# Altium PCB TB67S128FTG步进电机驱动器.PcbDoc
Units mil, origin at the board's own origin, x right, y up, seen from the top; angles counter-clockwise.
Board outline 3700.79 x 2755.91 mil, 2 copper layers (Top Layer, Bottom Layer); 74 components, 58 nets, 274 pads, 64 vias.
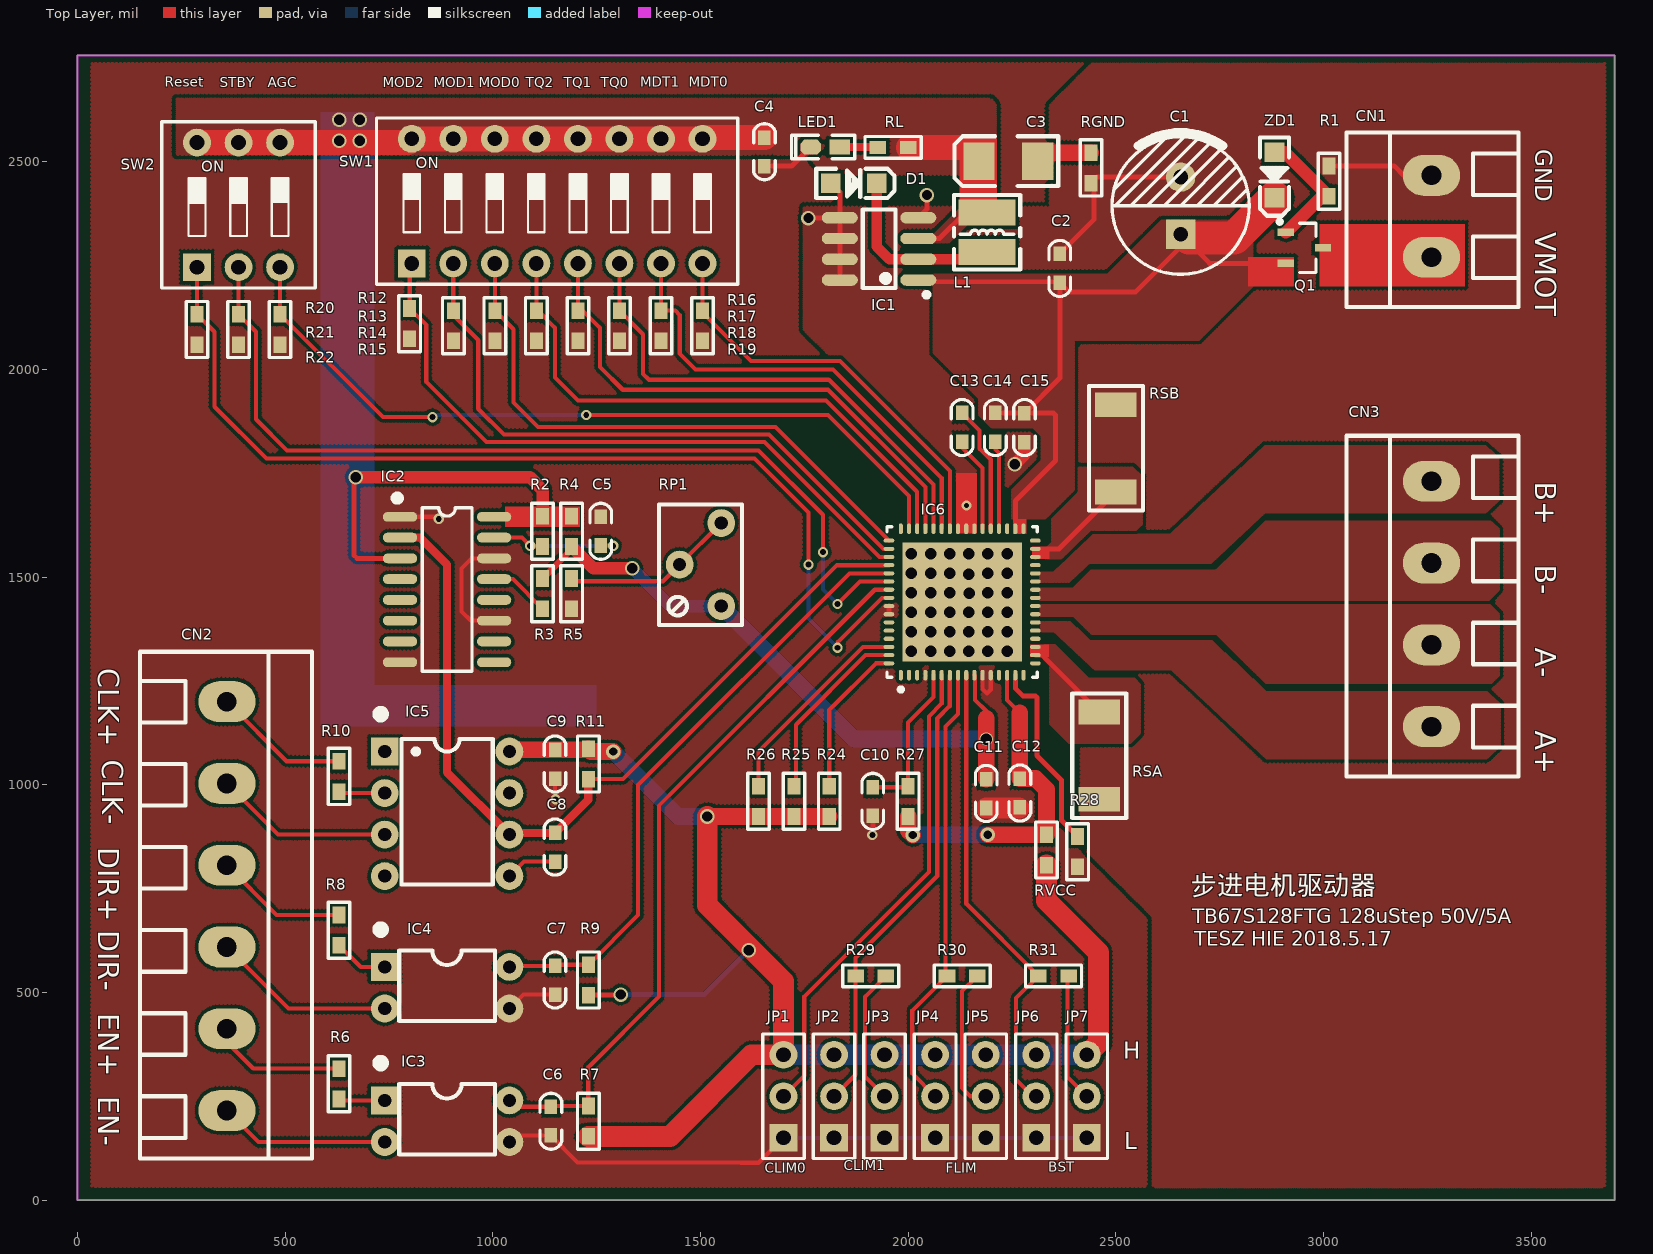
[diagram p0: Top Layer view]
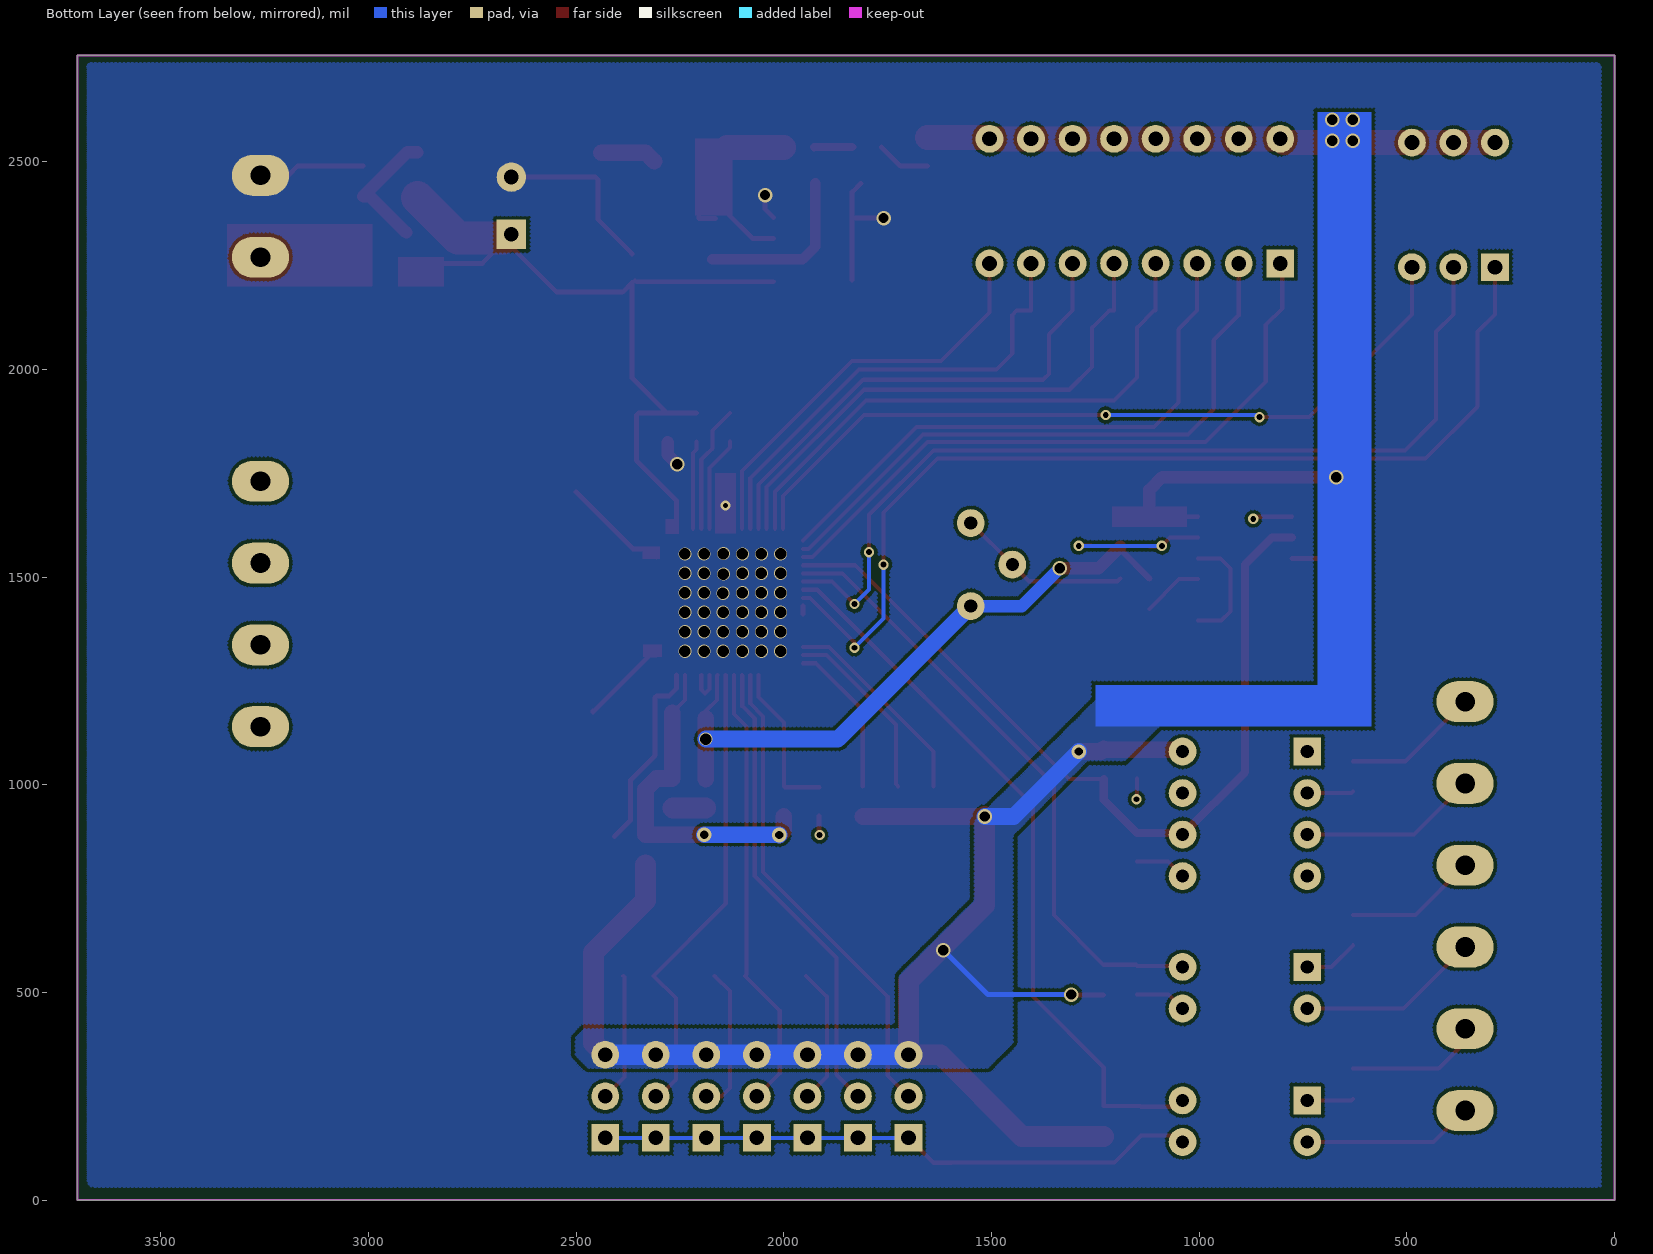
[diagram p1: Bottom Layer view, seen from below]

## Layer stack, top to bottom
Top Solder: solder mask 0.4, Solder Resist, Dk 3.5
Top Layer: signal copper 1.4
Dielectric 1: dielectric 12.6, FR-4, Dk 4.8
Bottom Layer: signal copper 1.4
Bottom Solder: solder mask 0.4, Solder Resist, Dk 3.5

## Board outline
0,0 0,2755.91 3700.79,2755.91 3700.79,0 0,0

## Design rules (kind name [scope] priority, off if disabled: settings)
Clearance [All] p1: gap=8
MinimumSolderMaskSliver [All] p1: minsoldermaskwidth=8
PolygonConnect [All] p1: connectstyle=Direct reliefconductorwidth=10 reliefentries=4 polygonreliefangle="45 Angle" airgapwidth=10
RoutingVias [All] p1: holewidth=14 width=25 viastyle="Through Hole" minholewidth=12 minwidth=25 maxholewidth=35 maxwidth=50
SilkToSilkClearance [All] p1: silktosilkclearance=0
SilkToSolderMaskClearance [IsPad] p1: minsilkscreentomaskgap=1 clearancetoexposedcopper=TRUE
SolderMaskExpansion [All] p1: expansion=4
Width [All] p1: maxlimit=100 minlimit=1 preferedwidth=10
26 further rules are at their usual default settings.

## Components (designator, comment, footprint, x,y, rotation, side; value= is the part's Value field where it differs from the comment)
C1 "100uF/50V" "CAP 3.5*8*11.5" 2656,2394 r90 top
C2 "104" "C 0603" 2365,2243 r270 top
C3 "10uF/25V" "CD B(3528)" 2241.28,2501.08 r0 top
C4 "105" "C 0603" 1654,2524 r90 top
C5 "104" "C 0603" 1260,1610 r270 top
C6 "103" "C 0603" 1140,190 r270 top
C7 "103" "C 0603" 1150,530 r90 top
C8 "102" "C 0603" 1150,850 r90 top
C9 "104" "C 0603" 1150,1050 r90 top
C10 "270pF" "C 0603" 1914.94,959.96 r90 top
C11 "104" "C 0603" 2188,979 r90 top
C12 "104" "C 0603" 2269,980 r270 top
C13 "22nF" "C 0603" 2130,1860 r270 top
C14 "0.22uF" "C 0603" 2210,1860 r270 top
C15 "104" "C 0603" 2280,1860 r90 top
CN1 "WJ128V-5.0-2P" KF128-5.00-2P 3260,2270 r90 top
CN2 "WJ128V-5.0-3P" KF128-5.00-6P 360,1200 r270 top
CN3 "WJ128V-5.0-2P" KF128-5.00-4P 3260,1140 r90 top
D1 "CRS30I40A" S-FLAT 1869.24,2447.93 r0 top
IC1 "XL1509-5.0" SOIC8_150mil 1930,2290 r90 top
IC2 "74HC123D" SOP16_M 890,1470 r0 top
IC3 "TLP785" DIP4-300 890,190 r0 top
IC4 "TLP785" DIP4-300 890,511.34 r0 top
IC5 "6N137" DIP8-300 890,930 r0 top
IC6 "TB67S128FTG" "QFN64 L" 2130,1440 r90 top locked
JP1 "2.54mm单排针直插3P" HDR-1X3 1700,150 r90 top
JP2 "2.54mm单排针直插3P" HDR-1X3 1821.67,150 r90 top
JP3 "2.54mm单排针直插3P" HDR-1X3 1943.33,150 r90 top
JP4 "2.54mm单排针直插3P" HDR-1X3 2065,150 r90 top
JP5 "2.54mm单排针直插3P" HDR-1X3 2186.67,150 r90 top
JP6 "2.54mm单排针直插3P" HDR-1X3 2308.33,150 r90 top
JP7 "2.54mm单排针直插3P" HDR-1X3 2430,150 r90 top
L1 "68uh" CD32 2190,2330 r90 top
LED1 "红色" "LED 0603B" 1800.34,2535.53 r180 top
Q1 "SSM3J351R" SOT23-3L 2954.41,2292.48 r270 top
R1 "100K" "R 0603" 3013,2453 r270 top
R2 "100K" "R 0603" 1120,1610 r90 top
R3 "10K" "R 0603" 1120,1460 r90 top
R4 "10K" "R 0603" 1190,1610 r90 top
R5 "330Ω" "R 0603" 1190,1460 r90 top
R6 "330Ω" "R 0603" 630,280 r270 top
R7 "10K" "R 0603" 1230,190 r90 top
R8 "330Ω" "R 0603" 630,650 r270 top
R9 "10K" "R 0603" 1230,530 r90 top
R10 "330Ω" "R 0603" 630,1020 r270 top
R11 "10K" "R 0603" 1230,1050 r90 top
R12 "10K" "R 0603" 800,2110 r270 top
R13 "10K" "R 0603" 905,2105 r270 top
R14 "10K" "R 0603" 1005,2105 r270 top
R15 "10K" "R 0603" 1105,2105 r270 top
R16 "10K" "R 0603" 1205,2105 r270 top
R17 "10K" "R 0603" 1305,2105 r270 top
R18 "10K" "R 0603" 1405,2105 r270 top
R19 "10K" "R 0603" 1505,2105 r270 top
R20 "10K" "R 0603" 288,2096 r270 top
R21 "10K" "R 0603" 388,2096 r270 top
R22 "10K" "R 0603" 488,2096 r270 top
R24 "10K" "R 0603" 1810,960.04 r270 top
R25 "10K" "R 0603" 1725,960.04 r270 top
R26 "10K" "R 0603" 1640,960.04 r270 top
R27 "5.1K" "R 0603" 2000,960 r90 top
R28 "100K" "R 0603" 2408,839 r90 top
R29 "100K" "R 0603" 1910,540 r0 top
R30 "100K" "R 0603" 2130,540 r0 top
R31 "100K" "R 0603" 2350,540 r0 top
RGND "0Ω" "R 0603" 2440,2485 r90 top
RL "10K" "R 0603" 1963.72,2534.54 r0 top
RP1 "10K" 3266W 1500,1530 r90 top
RSA "0.22Ω" "R 2010" 2460,1070 r270 top
RSB "0.22Ω" "R 2010" 2500,1810 r90 top
RVCC "N.C" "R 0603" 2333,843 r270 top
SW1 "CSW-8P" "CSW DIP-8P" 1155,2405 r0 top
SW2 "CSW-3P" "CSW DIP-3P" 388,2396 r0 top
ZD1 "CRZ39" S-FLAT 2882,2468 r270 top

## Footprints (in the part's own frame and the unit in brackets; to place one, negate y for a bottom-side part, rotate by r counter-clockwise, add the part's x,y. Pads: shape width x height; smd on the part's side, far side on the other; paste and mask are expansions set on the pad)
3266W [mm] "长：7mm，宽：4.8mm，高：7.5mm"
  round 1.7 hole 0.8: 1(-2.54,-1.27) 2(0,1.27) 3(2.54,-1.27)
  silkscreen extent -3.68,-2.54 3.68,2.54, body extent -3.5,-2.4 3.5,2.4, height 8.03
"C 0603" [mil] "无极性贴片电容"
  rect 35x30 smd: 1(-35,0) 2(34,0)
  silkscreen extent -67,-26 67,26, body extent -31,-16 31,16, height 32
"CAP 3.5*8*11.5" [mm] "脚距3.5mm直径8mm高度11.5mm"
  rect 1.8x1.8 hole 0.9: 1(-1.75,0)
  round 1.8 hole 0.9: 2(1.75,0)
  silkscreen extent -4.2,-4.2 4.5,4.2, body extent -4,-4 4.01,4, height 11.53
CD32 [mm] "3.5*3*2mm（长宽高）"
  rect 1.6x3.5 smd: 1(-1.2,0) 2(1.2,0)
  silkscreen extent -2.29,-2.03 2.29,2.03, body extent -1.71,-1.5 1.71,1.5, height 2.15
"CD B(3528)" [mil] "长3.5mm，宽2.8mm，厚1.9mm"
  rect 75x90 smd: 1(-70.87,-0.01) 2(70.86,-0.01)
  silkscreen extent -130,-60 120,60, body extent -69,-55 69,55, height 75
"CSW DIP-3P" [mm] "9.2*9.9*7mm"
  rect 1.7x1.7 hole 0.9: 1(-2.54,-3.81)
  round 1.7 hole 0.9: 2(0,-3.81) 3(2.54,-3.81) 4(2.54,3.81) 5(0,3.81) 6(-2.54,3.81)
  silkscreen extent -4.7,-5.08 4.7,5.08, body extent -4.59,-4.95 4.59,4.95, height 6.65
"CSW DIP-8P" [mm] "21.9*9.9*7mm"
  rect 1.7x1.7 hole 0.9: 1(-8.89,-3.81)
  round 1.7 hole 0.9: 2(-6.35,-3.81) 3(-3.81,-3.81) 4(-1.27,-3.81) 5(1.27,-3.81) 6(3.81,-3.81) 7(6.35,-3.81) 8(8.89,-3.81) 9(8.89,3.81) 10(6.35,3.81) 11(3.81,3.81) 12(1.27,3.81) 13(-1.27,3.81) 14(-3.81,3.81) 15(-6.35,3.81) 16(-8.89,3.81)
  silkscreen extent -11.05,-5.08 11.05,5.08, body extent -10.94,-4.95 10.94,4.95, height 6.65
DIP4-300 [mm] "4.6*7.6*3.8(长宽高）"
  rect 1.7x1.7 hole 0.8: 1(-3.81,1.27)
  round 1.7 hole 0.8: 2(-3.81,-1.27) 3(3.81,-1.27) 4(3.81,1.27)
  silkscreen extent -4.32,-2.03 2.92,3.81, body extent -3.93,-2.29 3.94,2.29, height 4.5
DIP8-300 [mm] "9.4*7.6*3.8(长宽高）"
  rect 1.7x1.7 hole 0.8: 1(-3.81,3.81)
  round 1.7 hole 0.8: 2(-3.81,1.27) 3(-3.81,-1.27) 4(-3.81,-3.81) 5(3.81,-3.81) 6(3.81,-1.27) 7(3.81,1.27) 8(3.81,3.81)
  silkscreen extent -4.32,-4.32 2.79,6.35, body extent -3.93,-4.7 3.93,4.7, height 4.5
HDR-1X3 [mm] "排针，3脚"
  rect 1.7x1.7 hole 0.9: 1(0,0)
  round 1.7 hole 0.9: 2(2.54,0) 3(5.08,0)
  silkscreen extent -1.27,-1.27 6.35,1.27, body extent -1.27,-1.27 6.35,1.27, height 8.5
KF128-5.00-2P [mm] "螺钉式接线端子，脚距5.00mm"
  oval 2.5x3.5 hole 1.2: 1(0,0) 2(5,0)
  silkscreen extent -3.05,-5.31 7.62,5.21, body extent -3.04,-5.3 7.62,5.2, height 14.15
KF128-5.00-4P [mm] "螺钉式接线端子，脚距5.0mm"
  oval 2.5x3.5 hole 1.2: 1(0,0) 2(5,0) 3(10,0) 4(15,0)
  silkscreen extent -3.05,-5.31 17.78,5.21, body extent -3.04,-5.3 17.78,5.2, height 14.15
KF128-5.00-6P [mm] "螺钉式接线端子，脚距5.00mm"
  oval 2.5x3.5 hole 1.2: 1(0,0) 2(5,0) 3(10,0) 4(15,0) 5(20,0) 6(25,0)
  silkscreen extent -3.05,-5.31 27.94,5.21, body extent -3.04,-5.3 27.94,5.2, height 14.15
"LED 0603B" [mil] "蓝色0603LED"
  rect 50x35 smd: 1(-35,0.26)
  oct 50x35 smd: 2(35,0.26)
  silkscreen extent -71,-28 81,28, body extent -31,-16 32,16, height 24
"QFN64 L" [mm] "QFN, 64-Leads, Body 9x9mm, Pitch 0.5mm, IPC High Density"
  oval 0.65x0.25 smd: 1(-4.475,3.75) 2(-4.475,3.25) 3(-4.475,2.75) 4(-4.475,2.25) 5(-4.475,1.75) 6(-4.475,1.25) 7(-4.475,0.75) 8(-4.475,0.25) 9(-4.475,-0.25) 10(-4.475,-0.75) 11(-4.475,-1.25) 12(-4.475,-1.75) 13(-4.475,-2.25) 14(-4.475,-2.75) 15(-4.475,-3.25) 16(-4.475,-3.75) 33(4.475,-3.75) 34(4.475,-3.25) 35(4.475,-2.75) 36(4.475,-2.25) 37(4.475,-1.75) 38(4.475,-1.25) 39(4.475,-0.75) 40(4.475,-0.25) 41(4.475,0.25) 42(4.475,0.75) 43(4.475,1.25) 44(4.475,1.75) 45(4.475,2.25) 46(4.475,2.75) 47(4.475,3.25) 48(4.475,3.75)
  oval 0.25x0.65 smd: 17(-3.75,-4.475) 18(-3.25,-4.475) 19(-2.75,-4.475) 20(-2.25,-4.475) 21(-1.75,-4.475) 22(-1.25,-4.475) 23(-0.75,-4.475) 24(-0.25,-4.475) 25(0.25,-4.475) 26(0.75,-4.475) 27(1.25,-4.475) 28(1.75,-4.475) 29(2.25,-4.475) 30(2.75,-4.475) 31(3.25,-4.475) 32(3.75,-4.475) 49(3.75,4.475) 50(3.25,4.475) 51(2.75,4.475) 52(2.25,4.475) 53(1.75,4.475) 54(1.25,4.475) 55(0.75,4.475) 56(0.25,4.475) 57(-0.25,4.475) 58(-0.75,4.475) 59(-1.25,4.475) 60(-1.75,4.475) 61(-2.25,4.475) 62(-2.75,4.475) 63(-3.25,4.475) 64(-3.75,4.475)
  rect 7.3x7.3 smd: 65(0,0)
  silkscreen extent -5.47,-4.6 4.6,4.6, body extent -4.52,-4.52 4.52,4.52, height 0.9
"R 0603" [mil] "1/10W贴片电阻"
  rect 40x31.5 smd: 1(-36.5,0) 2(36.5,0)
  silkscreen extent -68,-26 68,26, body extent -31,-16 32,16, height 16
"R 2010" [mm] "3/4W贴片电阻"
  rect 1.52x2.54 smd: 1(-2.665,0) 2(2.665,0)
  silkscreen extent -3.81,-1.65 3.81,1.65, body extent -2.5,-1.25 2.5,1.25, height 0.55
S-FLAT [mm] "2.6 x1.6X1.1mm（长宽高，不包括引脚）"
  rect 1.2x1.2 smd: 1(-1.4,0) 2(1.4,0)
  silkscreen extent -2.3,-0.89 2.49,0.89, body extent -1.9,-0.8 1.9,0.8, height 1.15
SOIC8_150mil [mm] "4x5.1x1.75mm(不包括引脚)"
  oval 0.7x2.2 smd: 1(-1.905,-2.4) 2(-0.635,-2.4) 3(0.635,-2.4) 4(1.905,-2.4) 5(1.905,2.4) 6(0.635,2.4) 7(-0.635,2.4) 8(-1.905,2.4)
  silkscreen extent -2.95,-3.05 2.4,1, body extent -2.5,-3.1 2.5,3.1, height 1.75
SOP16_M [mm] "10.3*6.2*1.8mm（长宽高）"
  oval 2.1x0.6 smd: 1(-2.875,4.445) 2(-2.875,3.175) 3(-2.875,1.905) 4(-2.875,0.635) 5(-2.875,-0.635) 6(-2.875,-1.905) 7(-2.875,-3.175) 8(-2.875,-4.445) 9(2.875,-4.445) 10(2.875,-3.175) 11(2.875,-1.905) 12(2.875,-0.635) 13(2.875,0.635) 14(2.875,1.905) 15(2.875,3.175) 16(2.875,4.445)
  silkscreen extent -3.2,-5 1.52,5.74, body extent -3,-5 3,5, height 1.9
SOT23-3L [mm] "3x1.3x1mm(长宽高)"
  rect 0.45x1 smd: 1(-0.95,-1.143) 2(0.95,-1.143) 3(0,1.125)
  silkscreen extent -1.72,-1.65 1.5,0.7, body extent -1.5,-1.2 1.5,1.2, height 1.05

## Part data
C1: library part C-CAP, "直插电解电容"
C2 C4 C5 C6 C7 C8 C9 C10 C11 C12 C13 C14 C15: library part C, "无极性贴片电容"
C3: library part C-CD, "贴片钽电容"
CN1: library part "Header 2", "WJ128V-5.0-3P"
CN2: library part "Header 6", "3个3P合成6P接插件"
CN3: library part "Header 4", "2个2P合成4P接插件"
D1: "东芝SBD肖特基势垒二极管,40V/3A"
IC1: library part XL1509, "DC to DC converter"
IC2: "东芝单稳态触发器"
IC3 IC4: "东芝1路开关光耦"
IC5: "东芝10M高速集成光耦"
IC6: library part TB67S128FTG_L, "Stepping motor driver, 50V/5A(1ch),128uStep,QFN64"
JP1 JP2 JP3 JP4 JP5 JP6 JP7: library part "Header 3-1", "3P接插件"
L1: library part L-CD, "贴片功率电感"
LED1: library part LED-SMD, "贴片LED"
Q1: library part MOSFET-P1, "东芝P沟道场效应管"
R1 R2 R3 R4 R5 R6 R7 R8 R9 R10 R11 R12 R13 R14 R15 R16 R17 R18 R19 R20 R21 R22 R24 R25 R26 R27 R28 R29 R30 R31 RGND RL RSA RSB RVCC: library part Res, "贴片电阻"
RP1: library part ResP, "3266W精密可调电阻"
SW1: "8路2.54mm立式直插正拨拨码开关"
SW2: "3路2.54mm立式直插正拨拨码开关"
ZD1: library part CRZ16, "东芝齐纳二极管 39V/0.7W"

## Via types
v1: diameter 31.5, hole 27.56, Top Layer to Bottom Layer, tented both sides, 36 vias
v2: diameter 25, hole 14, Top Layer to Bottom Layer, tented both sides, 11 vias
v3: diameter 35, hole 25, Top Layer to Bottom Layer, tented both sides, 9 vias
v4: diameter 35, hole 24, Top Layer to Bottom Layer, tented both sides, 2 vias
v5: diameter 35, hole 20, Top Layer to Bottom Layer, tented both sides, 2 vias
v6: diameter 35, hole 25, Top Layer to Bottom Layer, 1 vias
v7: diameter 31.5, hole 27.56, Top Layer to Bottom Layer, 1 vias
v8: diameter 35, hole 20, Top Layer to Bottom Layer, 1 vias
v9: diameter 24, hole 12, Top Layer to Bottom Layer, tented both sides, 1 vias

## Nets (pads, with @x,y where several pads share a name; then routed paths per layer and width w, separated by ;. In a path a pad name is that pad's centre, name@x,y a point inside that pad or via, vN(x,y) a via of type N, cw(c..) or ccw(c..) an arc to the next point about the centre after c; other vN are vias at no path point)
+5V: C3.1 C4.2 C9.2 IC1.3 IC2.3 IC2.16 IC5.8 JP1.3 JP2.3 JP3.3 JP4.3 JP5.3 JP6.3 JP7.3 L1.2 R2.2 R4.2 R7.1 R9.1 R11.2 R24.2 R25.2 R26.2 RL.2 RVCC.2 SW1.9 SW1.10 SW1.11 SW1.12 SW1.13 SW1.14 SW1.15 SW1.16 SW2.4 SW2.5 SW2.6 | length 6672.7
  Top Layer w10: IC2.16 1118.5,1645 R2.2 R4.2
  Top Layer w12: v3(670,1740.5) 666.34,1736.84 666.34,1552.17 673.5,1545 IC2.3 ; R9.1 1306.5,493.5 v3(1308,495) ; SW1.9 SW1.9@1508,2558 ; IC1.3 2075,2315 2137.24,2377.24 L1.2 ; L1.2@2164.61,2363.24 2204,2363.24 2204,2467.48 C3.1
  Top Layer w30: v3(670,1740.5) 1089.5,1740.5 1120,1710 R2.2
  Top Layer w40: IC5.8 1044,1084 C9.2 R11.2@1227.5,1084 ; R11.2 1236.5,1080 v5(1290,1080) ; v3(1516.46,923.54) R26.2 R25.2 R24.2
  Top Layer w50: R7.1 1426.5,153.5 1623,350 JP1.3 1700,527 1516.46,710.54 v3(1516.46,923.54) ; RVCC.2 2333,721 2458,596 2458,378 JP7.3
  Top Layer w60: SW2.6 SW2.5 SW2.4 796,2546 SW1.16 SW1.15 SW1.14 SW1.13 SW1.12 SW1.11 SW1.10 SW1.9 ; SW1.9@1508,2558 C4.2 ; RL.2 2136.94,2534.54 C3.1
  Bottom Layer w12: v3(1308,495) 1509,495 v6(1616,602)
  Bottom Layer w40: v5(1290,1080) 1446.46,923.54 v3(1516.46,923.54)
  Bottom Layer w50: JP1.3 JP6.3 JP7.3
  other v3: 630,2550.5 680,2550.5 630,2600.5 680,2600.5
A+: CN3.1 IC6.21 IC6.22
A-: CN3.2 IC6.23 IC6.24
AGC: IC6.47 R22.1 SW2.3 | length 1891.7
  Top Layer w10: SW2.3 R22.1 735.5,1885 v2(855,1885) ; v2(1225,1890) 1807,1890 2002.05,1694.95 IC6.47
  Bottom Layer w10: v2(855,1885) 860,1890 v2(1225,1890)
B+: CN3.4 IC6.27 IC6.28
B-: CN3.3 IC6.25 IC6.26
BST: IC6.9 JP6.2 R31.1 | length 1132.8
  Top Layer w10: IC6.9 2139.84,713.66 R31.1 2260,486.5 2260,290 2300,250 JP6.2
CLIM0: IC6.6 JP1.2 | length 1171.5
  Top Layer w10: JP1.2 1750,300 1750,490 2050,790 2050,1164.54 2080.79,1195.33 IC6.6
CLIM1: IC6.7 JP2.2 R29.1 | length 1129.3
  Top Layer w10: JP2.2 1873.5,301.83 R29.1 1873.5,583.5 2070,780 2070,1159.09 2100,1189.09 2100,1263.35 IC6.7
CLK: C8.2 IC2.2 IC5.6 IC6.52 R11.1 | length 2063.7
  Top Layer w10: R11.1 1313.5,1013.5 1828.58,1528.58 IC6.52
  Top Layer w20: IC2.2 825,1595 890,1530 890,1030 IC5.6 1044,884 C8.2 1230,964 R11.1
CLK+: CN2.1 R10.1 | length 329.4
  Top Layer w10: CN2.1 503.5,1056.5 R10.1
CLK-: CN2.2 IC5.3 | length 431
  Top Layer w10: CN2.2 483.15,880 IC5.3
DIR: C7.2 IC4.4 IC6.53 R9.2 | length 1490
  Top Layer w10: IC4.4 1042.66,564 C7.2 1152.5,566.5 R9.2 1350,686.5 1350,1000 1858.9,1508.9 IC6.53
DIR+: CN2.3 R8.1 | length 319.6
  Top Layer w10: CN2.3 479.8,686.5 R8.1
DIR-: CN2.4 IC4.2 | length 441.3
  Top Layer w10: CN2.4 508.11,461.34 IC4.2
EN: C6.1 IC3.4 IC6.55 R7.2 | length 1759.8
  Top Layer w10: IC3.4 1055,225 C6.1 1141.5,226.5 R7.2 1230,320 1400,490 1400,950 1919.53,1469.53 IC6.55
EN+: CN2.5 R6.1 | length 328.9
  Top Layer w10: CN2.5 360,380 423.5,316.5 R6.1
EN-: CN2.6 IC3.2 | length 411.4
  Top Layer w10: CN2.6 435.75,140 IC3.2
FLIM: IC6.8 JP4.2 R30.1 | length 1085.1
  Top Layer w10: JP4.2 2010,305 2010,456.5 R30.1 2090,543.5 2090,1140 2120,1170 2120,1263.66 IC6.8
GND: C1.2 C2.1 C15.1 CN1.2 D1.1 IC1.4 IC1.5 IC1.6 IC1.7 IC1.8 IC6.39 IC6.40 IC6.41 IC6.65 R1.1 RGND.1 RSA.2 RSB.2 | length 1123.6
  Top Layer w12: v4(1760,2363.87) 1834.38,2363.87 IC1.5 ; D1.1 1835.51,2426.54 IC1.5 ; IC1.8 IC1.7 IC1.6 IC1.5 ; IC1.4 2045,2385.51 v4(2045,2419.37) ; C2.1 2447.2,2360.2 2447.2,2455.7 2454.4,2462.9 C1.2 ; R1.1 3013.5,2490 3170,2490 3193.15,2466.85 CN1.2
  Top Layer w30: v3(2256.89,1771.9) 2280,1795.01 C15.1
  other v1: 2007.87,1321.43 2053.94,1321.43 2100,1321.43 2146.06,1321.43 2192.12,1321.43 2238.18,1321.43 2007.87,1368.34 2053.94,1368.34 2100,1368.34 2146.06,1368.34 2192.12,1368.34 2238.18,1368.34 2007.87,1415.26 2053.94,1415.26 2100,1415.26 2146.06,1415.26 2192.12,1415.26 2238.18,1415.26 2146.61,1460.99 2007.87,1462.17 2053.94,1462.17 2100,1462.17 2192.12,1462.17 2238.18,1462.17 2145.67,1506.94 2007.87,1509.08 2053.94,1509.08 2100,1509.08 2192.12,1509.08 2238.18,1509.08 2007.87,1555.99 2053.94,1555.99 2100,1555.99 2145.67,1556.44 2192.12,1555.99 2238.18,1555.99
  other v9: 2140.75,1672.24
MDT0: IC6.42 R19.1 SW1.8 | length 1010.8
  Top Layer w10: SW1.8 R19.1 1505,2137 1622,2020 1836,2020 2100.47,1755.53 IC6.42
MDT1: IC6.43 R18.1 SW1.7 | length 1132.8
  Top Layer w10: SW1.7 R18.1 1439.5,2141.5 1450,2131 1450,2038 1488,2000 1819,2000 2080.79,1738.21 IC6.43
MOD0: IC6.49 R14.1 SW1.3 | length 1395.1
  Top Layer w10: SW1.3 R14.1 1050,2096.5 1050,1920 1109,1861 1680.46,1861 IC6.49
MOD1: IC6.50 R13.1 SW1.2 | length 1503.3
  Top Layer w10: SW1.2 R13.1 905,2130.25 965,2070.25 965,1905 1027,1843 1665.24,1843 1940.29,1567.95 IC6.50
MOD2: IC6.51 R12.1 SW1.1 | length 1592.1
  Top Layer w10: SW1.1 800,2250 R12.1 840,2106.5 840,1970 985,1825 1654.54,1825 1931.28,1548.27 IC6.51
NetC5_2: C5.2 IC2.15 R2.1 | length 356.1
  Top Layer w10: IC2.15 1070,1595 v2(1090,1575) 1091.5,1573.5 R2.1 ; C5.2 1289,1576 v2(1290,1575)
  Bottom Layer w10: v2(1090,1575) v2(1290,1575)
NetC8_1: C8.1 IC5.5 | length 124.5
  Top Layer w10: IC5.5 1075,815 C8.1
NetC10_2: C10.2 IC6.5 R27.2 | length 378.7
  Top Layer w10: C10.2 1997.46,993.96 R27.2 2000,1150 2061.1,1211.1 IC6.5
NetC13_1: C13.1 IC6.37 | length 307.9
  Top Layer w10: C13.1 2172,1853 2172,1809 2181,1800 2182,1800 2198.9,1783.1 IC6.37
NetC13_2: C13.2 IC6.38 | length 230.2
  Top Layer w10: C13.2 2130,1812 2179.21,1762.79 IC6.38
NetC14_2: C14.2 IC6.36 | length 213.4
  Top Layer w10: C14.2 2210,1807 2218.58,1798.42 IC6.36
NetD1_2: D1.2 IC1.2 L1.1 | length 412.9
  Top Layer w25: D1.2 1924.35,2295.65 1955,2265 IC1.2 L1.1@2172.24,2265
NetIC2_13: IC2.13 R3.1 | length 146.4
  Top Layer w10: IC2.13 1048.5,1495 R3.1
NetIC3_1: IC3.1 R6.2 | length 111.4
  Top Layer w10: R6.2 633.5,240 IC3.1
NetIC4_1: IC4.1 R8.2 | length 131.6
  Top Layer w10: R8.2 682.16,561.34 IC4.1
NetIC5_2: IC5.2 R10.2 | length 111.4
  Top Layer w10: R10.2 633.5,980 IC5.2
NetIC6_15: IC6.15 R28.2 | length 468
  Top Layer w12: IC6.15 2257.95,1232.13 2277,1213.08 2306.92,1213.08 2310,1210 2310,1070 2369,1011 2369,914.5 R28.2
NetIC6_62: IC6.62 R26.1 | length 501.5
  Top Layer w10: R26.1 1640,1080 1891.73,1331.73 IC6.62
NetIC6_63: IC6.63 R25.1 | length 443.3
  Top Layer w10: R25.1 1730,1001.54 1730,1144.54 1897.5,1312.05 IC6.63
NetIC6_64: IC6.64 R24.1 | length 373.8
  Top Layer w10: R24.1 1810,1180 1922.36,1292.36 IC6.64
NetJP3_2: JP3.2 R29.2 | length 330.5
  Top Layer w10: JP3.2 1896,297.33 1896,489.5 R29.2
NetJP5_2: JP5.2 R30.2 | length 350.1
  Top Layer w10: R30.2 2130,503.5 2130,270 2150,250 JP5.2
NetJP7_2: JP7.2 R31.2 | length 310.5
  Top Layer w10: R31.2 2383.53,537.04 2383.53,296.46 JP7.2
NetLED1_1: LED1.1 RL.1 | length 92.2
  Top Layer w20: LED1.1 1926.5,2535.27 RL.1
NetQ1_1: Q1.1 R1.2 ZD1.1 | length 314.6
  Top Layer w30: ZD1.1 2906.38,2523.12 R1.2 2996.03,2416.5 Q1.1
NetR5_2: R5.2 RP1.2 RP1.3 | length 420.7
  Top Layer w10: R5.2 1196.5,1490 1410,1490 RP1.2 RP1.3
RESET: IC6.56 R20.1 SW2.1 | length 2424
  Top Layer w10: SW2.1 R20.1 330,2090.5 330,1910 455,1785 1630,1785 1760,1655 v2(1760,1530) ; v2(1830,1330) 1830,1342.91 1936.93,1449.84 IC6.56
  Bottom Layer w10: v2(1760,1530) 1760,1400 v2(1830,1330)
RSA: IC6.18 IC6.19 RSA.1 | length 233.3
  Top Layer w12: IC6.19 IC6.18 2322.87,1312.05 RSA.1 RSA.1@2460,1177.91
RSB: IC6.30 IC6.31 RSB.1 | length 270.5
  Top Layer w12: IC6.30 IC6.31 2363.21,1567.95 2500,1704.74 RSB.1
SGND: C3.2 C4.1 C5.1 C6.2 C7.1 C9.1 C10.1 C11.1 C12.2 IC2.1 IC2.8 IC2.11 IC2.14 IC3.3 IC4.3 IC6.4 IC6.11 IC6.12 IC6.57 IC6.58 JP1.1 JP2.1 JP3.1 JP4.1 JP5.1 JP6.1 JP7.1 LED1.2 R5.1 R12.2 R13.2 R14.2 R15.2 R16.2 R17.2 R18.2 R19.2 R20.2 R21.2 R22.2 R28.1 RGND.2 | length 2506.1
  Top Layer w10: IC2.1 865,1645 v2(870,1640) ; IC2.11 947,1395 925,1417 925,1521 949,1545 IC2.14 ; IC3.3 1056,156 C6.2 1140,155 1204,91 1596,91 1597,90 1640,90 JP1.1 ; IC4.3 1073.66,495 C7.1 ; C9.1 1150,966 v2(1151,965) ; IC6.11 2179.21,1230.79 2190,1220 2198.9,1228.9 IC6.12
  Top Layer w12: C4.1 1719.06,2489 LED1.2 ; v2(1914,879) 1914.94,879.94 C10.1 ; IC6.58 IC6.57
  Top Layer w40: C3.2 2332.57,2521.5 RGND.2
  Top Layer w50: C11.1 C12.2@2267,944
  Bottom Layer w10: JP1.1 JP2.1 JP3.1 JP4.1 JP5.1 JP6.1 JP7.1
STBY: IC6.54 R21.1 SW2.2 | length 2219.4
  Top Layer w10: SW2.2 R21.1 430,2090.5 430,1880 505,1805 1640,1805 1795,1650 v2(1795,1560) ; v2(1830,1435) 1884.21,1489.21 IC6.54
  Bottom Layer w10: v2(1795,1560) 1795,1470 v2(1830,1435)
TQ0: IC6.44 R17.1 SW1.6 | length 1205.7
  Top Layer w10: SW1.6 R17.1 1362,2084.5 1362,1989 1376,1975 1809,1975 2061.1,1722.9 IC6.44
TQ1: IC6.45 R16.1 SW1.5 | length 1281.4
  Top Layer w10: SW1.5 R16.1 1216.5,2141.5 1258,2100 1258,2006 1313,1951 1807,1951 2041.42,1716.58 IC6.45
TQ2: IC6.46 R15.1 SW1.4 | length 1370.3
  Top Layer w10: SW1.4 R15.1 1108.5,2141.5 1150,2100 1150,1980 1205,1925 1802,1925 2021.73,1705.27 IC6.46
VCC: C12.1 IC6.14 R27.1 RVCC.1 | length 817.5
  Top Layer w10: IC6.14 2238.27,1203.73 2269,1173
  Top Layer w40: R27.1 2000,890 v8(2011,879) ; v5(2192,880) 2192.5,879.5 RVCC.1 2333,989 2307,1015 C12.1 2269,1173
  Bottom Layer w40: v8(2011,879) 2012,880 v5(2192,880)
VM: C1.1 C2.2 C14.1 C15.2 IC1.1 IC6.33 IC6.34 Q1.2 ZD1.2 | length 2049.3
  Top Layer w10: IC1.1@2024.49,2211 2354.74,2211 C2.2@2358,2214.26
  Top Layer w12: C14.1 2279,1895 2279.38,1894.62 C15.2@2280.62,1894.62 ; IC6.34 2257.95,1683.1 2354.85,1780 2354.85,1889.77 2350,1894.62 C15.2@2280.62,1894.62 ; Q1.2 2726.02,2255.08 C1.1 2656,2295 2547,2186 2388,2186 C2.2 2365,1979 C15.2@2280.62,1894.62
  Top Layer w80: C1.1@2675.87,2316.1 2785.22,2316.1 ZD1.2
VMOT: CN1.1 Q1.3
VREF: C11.2 IC6.10 R3.2 R4.1 RP1.1 | length 1558.6
  Top Layer w10: IC6.10 2161.21,1262.13 2161.21,1203.94 2188,1177.15 2188,1160
  Top Layer w15: R3.2 1190,1566.5 R4.1
  Top Layer w30: R4.1 1242.5,1521 v3(1336,1521)
  Top Layer w40: C11.2 v7(2188,1110) 2188,1160
  Bottom Layer w30: v3(1336,1521) 1427,1430 RP1.1
  Bottom Layer w40: RP1.1 1870,1110 v7(2188,1110)
pads on no net: IC2.4 IC2.5 IC2.6 IC2.7 IC2.9 IC2.10 IC2.12 IC5.1 IC5.4 IC5.7 IC6.1 IC6.2 IC6.3 IC6.13 IC6.16 IC6.17 IC6.20 IC6.29 IC6.32 IC6.35 IC6.48 IC6.59 IC6.60 IC6.61

## Polygon pours and split planes (outlines as drawn)
SGND on Top Layer "SGND" (hatched 45Degree grid 7 track 8, remove dead copper, pour order 33): 35,2735.98 2557.43,2735.98 2561.47,2740 2672.56,2629.6 2672.56,33 35,33 35,2735.98
GND on Top Layer "GND" (hatched 45Degree grid 7 track 8, remove dead copper, pour order 31): 3676.78,2740 3670.95,2734.2 2441.13,2734.2 2391.73,2685.06 2342.34,2635.93 2342.34,2390.26 1749.6,2390.26 1749.6,2095.46 1798.99,2046.33 2194.15,1653.26 2416.42,1653.26 2416.42,857.54 2415.19,856.32 2589.31,683.12 2589.31,80.99 2589.31,31.86 3676.78,31.86 3676.78,2740
+5V on Top Layer "+5V" (hatched 45Degree grid 1 track 2, remove dead copper, pour order 18): 2059,2324 2122,2387 2139,2387 2140,2386 2140,2350 2140,2346 2099,2305 2059,2305 2059,2324
+5V on Top Layer "+5V" (hatched 45Degree grid 7 track 8, remove dead copper, pour order 17): 240,2650 2199.95,2650 2210,2638 2210,2470 1797.91,2470 1757.7,2518 1687.35,2518 240,2518 240,2650
A- on Top Layer "A-" (hatched 45Degree grid 1 track 2, remove dead copper, pour order 16): 2317.55,1435.84 3399.55,1435.84 3423.55,1412.09 3423.55,1263.63 3403.55,1243.84 2861.55,1243.84 2741.55,1362.6 2441.55,1362.6 2401.55,1402.19 2397.55,1406.15 2317.55,1406.15
B- on Top Layer "B-" (hatched 45Degree grid 1 track 2, remove dead copper, pour order 15): 2316.52,1444 3398.52,1444 3422.52,1467.75 3422.52,1616.21 3402.52,1636 2860.52,1636 2740.52,1517.24 2440.52,1517.24 2400.52,1477.65 2396.52,1473.69 2316.52,1473.69
A+ on Top Layer "A+" (hatched 45Degree grid 1 track 2, remove dead copper, pour order 14): 2324.8,1393.26 2389.89,1393.26 2438.71,1347.53 2731.64,1347.53 2861.84,1225.59 3393.45,1225.59 3426,1195.1 3424.91,1194.09 3424.91,1092.47 3393.45,1063 2861.84,1063 2634,1276.4 2449.56,1276.4 2351.92,1367.86 2319.37,1367.86 2319.37,1393.26 2325.88,1393.26
B+ on Top Layer "B+" (hatched 45Degree grid 1 track 2, remove dead copper, pour order 13): 2321.74,1486.92 2386.83,1486.92 2435.65,1532.65 2728.59,1532.65 2858.78,1654.59 3390.39,1654.59 3422.94,1685.08 3421.86,1686.09 3421.86,1787.71 3390.39,1817.18 2858.78,1817.18 2630.94,1603.78 2446.5,1603.78 2348.86,1512.33 2316.31,1512.33 2316.31,1486.92 2322.82,1486.92
RSA on Top Layer "RSA" (hatched 45Degree grid 1 track 2, remove dead copper, pour order 12): 2326,1338 2354,1338 2435,1257 2527,1257 2545,1257 2559,1243 2559,1211 2559,1123 2536,1100 2387,1100 2343,1144 2341,1146 2341,1286 2341,1287 2326,1302 2326,1338 2326,1337
RSB on Top Layer "RSB" (hatched 45Degree grid 1 track 2, remove dead copper, pour order 11): 2330.19,1544 2368.64,1544 2439.19,1612.82 2549.19,1612.82 2563.19,1626.47 2563.19,1743.53 2540.19,1765.97 2391.19,1765.97 2347.19,1723.05 2345.19,1721.1 2345.19,1583.55 2330.19,1568.92
VM on Top Layer "VM" (hatched 45Degree grid 1 track 2, remove dead copper, pour order 10): 2060,2230 2480,2230 2610,2360 2829.12,2360 2829.12,2200.88 2830,2200 2710,2080 2700,2070 2400,2070 2400,1710 2330,1640 2250,1640 2250,1710 2320,1780 2320,1840 2319.68,1840 2299.68,1860 2200,1860 2170,1890 2170,1930 2060,2040 2060,2230
GND on Bottom Layer "GND" (hatched 45Degree grid 7 track 8, remove dead copper, pour order 35): 40.67,2735.98 3670.96,2735.98 3676.78,2730.19 3675.15,2728.57 3675.15,42.81 3665.29,33 35,33 35,2730.34 40.67,2735.98
+5V on Bottom Layer "+5V" (hatched 45Degree grid 7 track 8, remove dead copper, pour order 29): 1100,1140 1140,1100 1180,1060 1190,1060 1270,1060 1450,880 1450,380 1510,320 2470,320 2480,330 2500,350 2500,390 2480,410 1720,410 1720,540 1540,720 1540,880 1540,910 1250,1200 1100,1200 1100,1140

## Keep-outs
Keep-Out Layer:
  the board outline again, w5

## Other copper
Top Layer:
  rectangle net RSB: 2298,1543 2340,1574
  rectangle net VM: 2252,1604 2285,1640
  rectangle net +5V: 1030,1620 1210,1670
  rectangle net VMOT: 2990,2200 3340,2350
  rectangle net +5V: 2124,2370 2214,2556
  rectangle net VM: 2818.54,2200 2928.82,2270
  rectangle net RSA: 2293.03,1307 2339.21,1337.24
  rectangle net GND: 2115.16,1605.32 2165.33,1750
Bottom Layer:
  rectangle net +5V: 585.83,1140 715.83,2620
  rectangle net +5V: 700,1140 1250,1240

## Silkscreen, mask and mechanical layers (free items; w line width, h text height)
Top Overlay:
  text "Reset" at 210,2671.71 h40
  text "MDT1" at 1355,2671.63 h40
  text "MDT0" at 1471.69,2671.63 h40
  text "STBY" at 343.14,2671.28 h40
  text "AGC" at 458.41,2671.28 h40
  text "MOD2" at 735.6,2671.28 h40
  text "MOD1" at 857.92,2671.28 h40
  text "MOD0" at 966.81,2671.28 h40
  text "TQ2" at 1080,2671.28 h40
  text "TQ1" at 1171.18,2671.28 h40
  text "TQ0" at 1260.27,2671.28 h40
  text "GND" at 3510,2530 h40 r270
  text "VMOT" at 3510,2330 h50 r270
  text "B+" at 3510,1730 h50 r270
  text "B-" at 3510,1530 h50 r270
  text "A-" at 3510,1330 h50 r270
  text "CLK+" at 50,1280 h50 r270
  text "A+" at 3510,1130 h50 r270
  text "CLK-" at 60,1060 h50 r270
  text "DIR+" at 50,850 h50 r270
  text "步进电机驱动器" at 2680.1,720 h80
  text "TB67S128FTG 128uStep 50V/5A" at 2684.4,655 h60
  text "DIR-" at 50,650 h50 r270
  text "TESZ HIE 2018.5.17" at 2688.79,600 h60
  text "EN+" at 50,450 h50 r270
  text "H" at 2517.89,340 h40
  text "EN-" at 50,250 h50 r270
  text "L" at 2520,122.86 h40
  text "CLIM1" at 1845,63.09 h40
  text "BST" at 2336.89,60 h40
  text "FLIM" at 2090,57.89 h40
  text "CLIM0" at 1655,57.31 h40
Bottom Solder:
  rectangle: 1901.57,1222.44 2349.33,1633.86

## Text inside footprints (layer, text, board x,y; h text height)
SW1: Top Overlay "ON" at 815,2475 h45
SW2: Top Overlay "ON" at 298,2466 h45